# Altium PCB LPCXpresso55SXX.PcbDoc (part 2 of 4)
Units mm, origin at the board's own origin, x right, y up, seen from the top; angles counter-clockwise.
Board outline 97.07 x 97.84 mm, 4 copper layers (Top Layer, GND Plane, Power Plane, Bottom Layer), stack 1.58 mm thick; 336 components, 250 nets, 1211 pads, 766 vias.
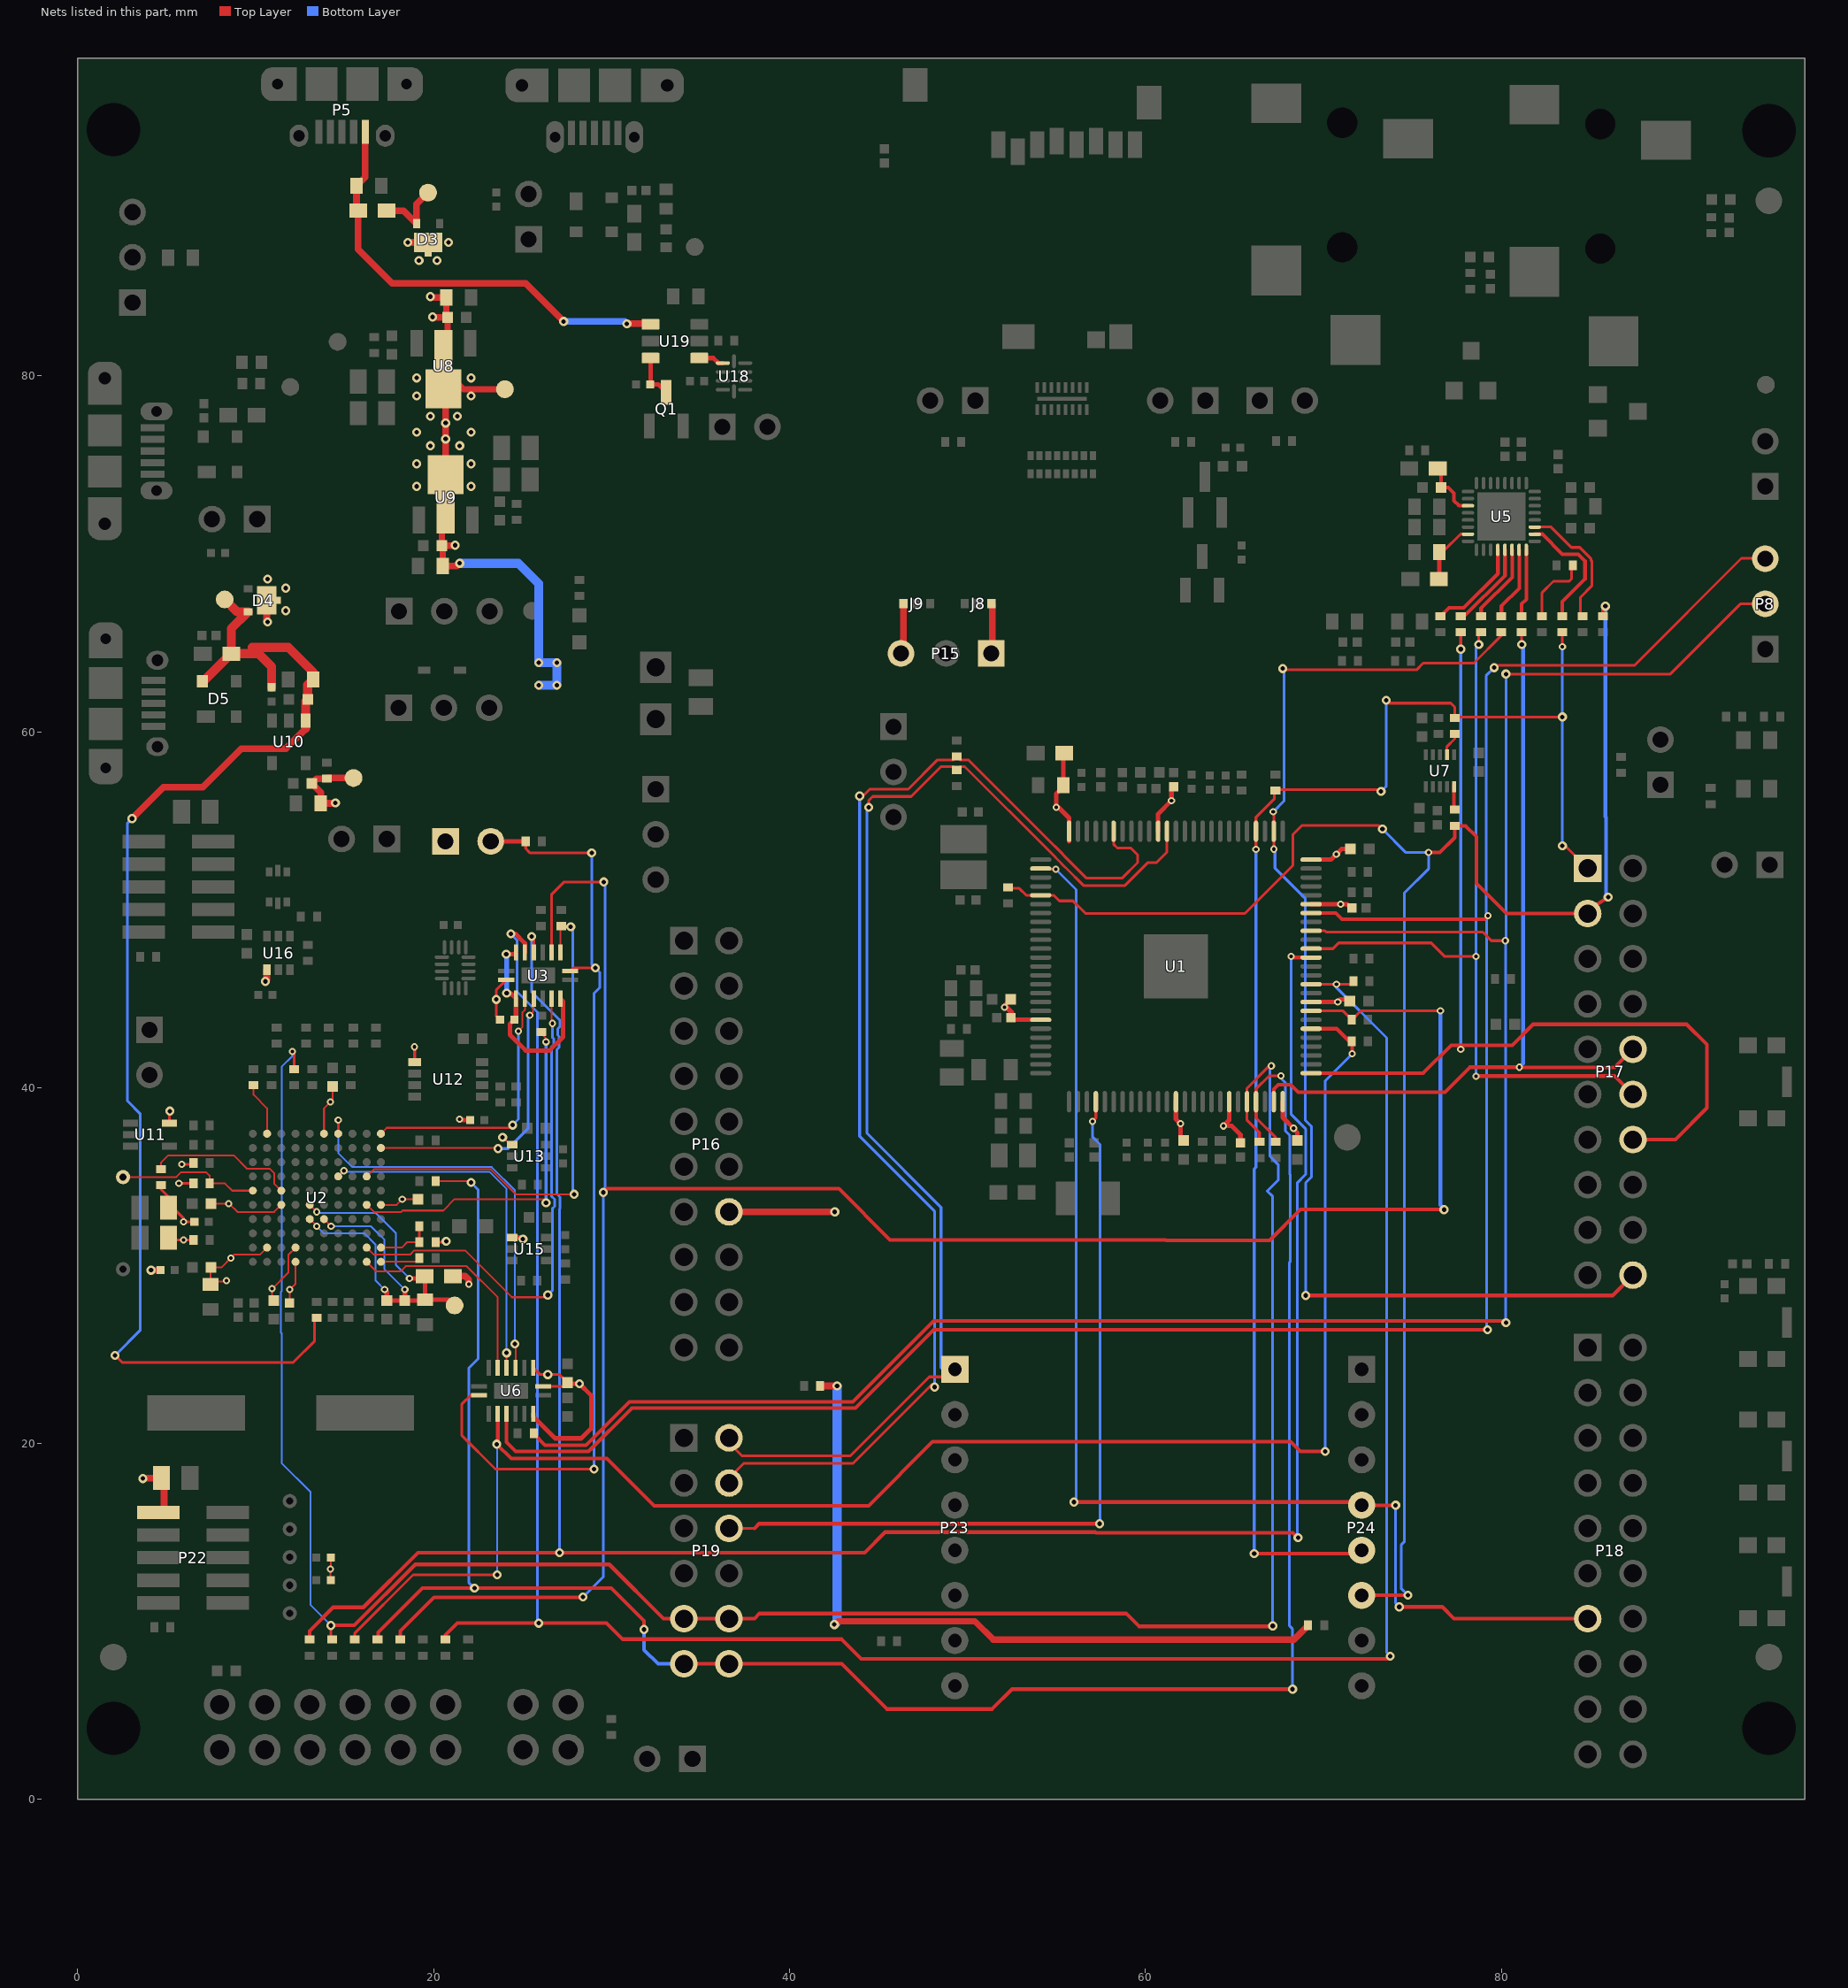
[diagram p4: the nets of this part, all layers, seen from the top]

## Part data
C1 C2 C3 C4 C6 C13 C14 C15 C21 C23 C30 C35 C36 C37 C38 C39 C40 C43 C44 C48 C49 C54 C55 C57 C59 C60 C61 C71 C73 C75 C83 C85 C87 C88 C89 C91: library part CMP-0001-00074-1, "Capacitor, Yageo, Ceramic, 0.1uF 10% 16V 0402 (1005) X7R", Dielectric=X7R, Rated Voltage="16 V", Tolerance="10 %", Category=Capacitor, ClassName="Board Template Device", Mounting Technology="Surface Mount", Polarity=Non-Polarized, Publisher=Altium, Status=Production, Technology=Ceramic
C5 C52 C86: library part CMP-1034-02118-1, "CAP 1uF 10V -20% to +80% 0402 (1005 Metric) Thickness 0.6mm SMD", Case-EIA=0402, Case-Metric=1005, Rated Voltage="10 V", Tolerance="-20% to +80%", Max Thickness="0.6 mm", Technology=SMT
C7: library part CMP-1034-01078-1, "CAP 47pF 16V ?% 0402 (1005 Metric) Thickness 0.6mm SMD", Case-EIA=0402, Case-Metric=1005, Rated Voltage="16 V", Tolerance=±1%, Max Thickness="0.6 mm", Technology=SMT
C9 C11 C12 C16 C25 C26 C29 C34 C41 C42 C47 C53 C56 C68 C69 C70: library part CMP-1035-02785-1, "CAP 4.7uF 10V ?0% 0603 (1608 Metric) Thickness 1mm SMD", Case-EIA=0603, Case-Metric=1608, Rated Voltage="10 V", Tolerance=±10%, Max Thickness="1 mm", Technology=SMT
C10 C17 C22 C24: library part CMP-1034-01367-1, "CAP 220pF 50V ?% 0402 (1005 Metric) Thickness 0.6mm SMD", Case-EIA=0402, Case-Metric=1005, Rated Voltage="50 V", Tolerance=±1%, Max Thickness="0.6 mm", Technology=SMT
C18 C19 C20 C62 C67 C99: library part CMP-1034-02127-1, "CAP 2.2uF 10V ?0% 0402 (1005 Metric) Thickness 0.6mm SMD", Case-EIA=0402, Case-Metric=1005, Rated Voltage="10 V", Tolerance=±10%, Max Thickness="0.6 mm", Technology=SMT
C27 C28 C45 C46 C50 C51 C58 C96: library part CMP-1036-04922-1, "CAP 10uF 10V ?0% 0805 (2012 Metric) Thickness 1.45mm SMD", Case-EIA=0805, Case-Metric=2012, Rated Voltage="10 V", Tolerance=±10%, Max Thickness="1.45 mm", Technology=SMT
C31 C72 C74 C76 C81 C82 C84 C90: library part CMP-1034-01880-1, "CAP 10nF 25V ?0% 0402 (1005 Metric) Thickness 0.6mm SMD", Case-EIA=0402, Case-Metric=1005, Rated Voltage="25 V", Tolerance=±10%, Max Thickness="0.6 mm", Technology=SMT
C32 C33: library part CMP-1034-00963-1, "CAP 27pF 50V ?% 0402 (1005 Metric) Thickness 0.6mm SMD", Case-EIA=0402, Case-Metric=1005, Rated Voltage="50 V", Tolerance=±5%, Max Thickness="0.6 mm", Technology=SMT
C77 C80: library part Capacitor, "CAP CER 8PF 25V C0G/NP0 0402", Manufacturer="Murata Electronics North America", Manufacturer Part #=GRM1555C1E8R0CA01D
C78 C79: library part CMP-1034-00833-1, "CAP 16pF 25V ?.5pF 0402 (1005 Metric) Thickness 0.6mm SMD", Case-EIA=0402, Case-Metric=1005, Rated Voltage="25 V", Tolerance=±0.5pF, Max Thickness="0.6 mm", Technology=SMT
C92 C93 C100: library part CMP-1036-04946-1, "CAP 22uF 16V ?0% 0805 (2012 Metric) Thickness 1.45mm SMD", Case-EIA=0805, Case-Metric=2012, Rated Voltage="16 V", Tolerance=±20%, Max Thickness="1.45 mm", Technology=SMT
C94 C98: library part CMP-1035-02589-1, "CAP 100nF 25V ?0% 0603 (1608 Metric) Thickness 1mm SMD", Case-EIA=0603, Case-Metric=1608, Rated Voltage="25 V", Tolerance=±20%, Max Thickness="1 mm", Technology=SMT
C95 C97: library part CMP-1035-01048-1, "CAP 47pF 16V ?pF 0603 (1608 Metric) Thickness 1mm SMD", Case-EIA=0603, Case-Metric=1608, Rated Voltage="16 V", Tolerance=?pF, Max Thickness="1 mm", Technology=SMT
D1 D2: "TVS DIODE 5V 14V SOT23", Manufacturer="Nexperia USA Inc.", Created by=eteofilo, Creation Date=17-Apr-2018, Manufacturer Part #=PESD5V0S2BT,215
D3 D4: "DIODE ARRAY SCHOTTKY 40V 3HUSON", Manufacturer="Nexperia USA Inc.", Created by=eteoflo, Creation Date=10-Apr-2018, Manufacturer Part #=PMEG4010CPA,115
D5 D9 D10: library part CMP-2000-05285-1, "Ultra Low Capacitance Double Rail-to-Rail ESD Protection Diode, 5.5 V, 1 pF, -40 to 85 degC, 4-Pin SOT143B, RoHS, Tape and Reel", Capacitance Value=16pF, ESD Protection Voltage=8KV@ContactDisc, Leakage Current=0.1uA, Manufacturer="NXP Semiconductors", Operating Temperature Classification=Industrial, Operating Temperature Max Deg. C=85C, Operating Temperature Min Deg. C=-40C, Operating Temp Range=-40Cto85C, Package / Case=SOT, Reverse Breakdown Voltage=6V, Reverse Stand-off Voltage=5.5V, Configuration=Quad, Datasheet URL=https://datasheet.ciiva.com/4479/prtr5v0u2x-102853-4479461.pdf, Datasheet Version="Rev. 02, 01/2008", Direction Type=Uni-Directional, Leakage Current (Max)=0.1uA, Manufacturer URL=http://www.nxp.com/, Mounting=SurfaceMount, Mounting Style=SurfaceMount, Number of Elements=1, Package Type=SOT, Packaging=TapeandReel, Pin Count=3+Tab, Polarity=Uni-Directional, Product Depth (mm)=1.4mm, Product Height (mm)=1mm, Product Length (mm)=3mm, Rad Hardened=No, Suppressor Type=DiodeArrays, Working Voltage=5.5V, Working Voltage (Max)=5.5V
D6: "DIODE SCHOTTKY 10V 2A SOD323F", Manufacturer="Nexperia USA Inc.", Created by=eteofilo, Creation Date=12-Apr-2018, Manufacturer Part #=PMEG1020EJ,115
D7: "TVS DIODE 3.3V 12V SOT666", Manufacturer="Nexperia USA Inc.", Created by=eteofilo, Creation Date=12-Apr-2018, Manufacturer Part #=PESD3V3L5UV,115
D8: "LED RGB SMD DIFF 4-PLCC", Created by=cmartinez, Creation Date=04-06-2019, Manufacturer Part #=XR3528UEUGUB
DS1 DS2: library part CMP-1674-00011-1, "LED Uni-Color Red, 62.5 mW, 5 V, -30 to 85 degC, 2-Pin SMD, RoHS, Tape and Reel", Capacitance="100 uF", Case\Package=Radial, Max Operating Temperature="85 degC", Min Operating Temperature="-40 degC", Package Quantity=200, Tolerance=20%, Voltage Rating="50 V", ComponentLink1Description="Manufacturer URL", ComponentLink1URL=http://www.us.liteon.com/, ComponentLink2Description=Datasheet, ComponentLink2URL=http://optoelectronics.liteon.com/upload/download/DS-22-99-0151/S_110_LTST-C190KRKT.pdf, DatasheetVersion="Rev. F, 05/2013", Diameter="8 mm", Height="11.5 mm", Lead Pitch="3.5 mm", Length="11.5 mm", Mount="Through Hole", PackageDescription="2-Pin Surface Mount Device, Body 1.6 x 0.8 mm", PackageReference=C191KRKT, Packaging=Bulk, Pins=2, Radiation Hardening=No, REACH SVHC="No SVHC", RoHSCompliant=true, Voltage Rating (DC)="50 V"
J1 J2: "CONN AUDIO JACK 3.5MM STEREO SMD", Manufacturer="CUI Inc", Created by=gmoreno, Creation Date=23-May-2013, Manufacturer part#=SJ-3524-SMT-TR
J3 J6 P4 P8 P15 P26 P28: "HEADER 3POS SNGL T/H 2.54MM", Manufacturer="Wurth Electronics Inc", Created by=gmoreno, Creation Date=28-Jul-2012, Manufacturer Part #=61300311121
  P15 P26 P28: Indications=DNI
J4 J5 J7 J10 J11 J12 P1 P2 P3 P12 P13 P25 P29: "HEADER 2POS SNGL T/H 2.54MM", Manufacturer="Wurth Electronics Inc", Created by=gmoreno, Creation Date=28-Jul-2012, Manufacturer Part #=61300211121
  J5 J11 J12 P2 P3 P12 P13 P25 P29: Indications=DNI
J8 J9: "*"
L1 L2 L3 L8 L9: library part CMP-2000-06700-1, "Ferrite Bead, 600 Ohm, 1 A, -40 to 125 degC, 2-Pin SMD, RoHS, Tape and Reel", Current Rating (Max)=1A, DC Resistance (DCR) (Max)=200mOhm, Impedance @ Frequency=600Ohm@100MHz, Manufacturer=Laird, Operating Temperature=-40癈~125癈, Package / Case=0603(1608Metric), Package Description="2-Pin Surface Mount Device, Body 1.6 x 0.8 mm", Package Reference=MI00603J601R-10, Ratings=-, Standard Package=1, Catalog Drawings=(HI,HZ,LI,MI)0603Series_0.95mmMax.Height, Category=Filters, Datasheet URL=http://cdn.lairdtech.com/home/brandworld/files/MI0603J601R-10.pdf, Datasheet Version="Rev. C, 08/2013", Family=FerriteBeadsandChips, Filter Type=PowerLine, Height (Max)="0.037\"(0.95mm)", Kits=240-2227-ND-KITEMIFERRITEBEADCHIPSMD, Manufacturer URL=https://www.lairdtech.com/, Mounting Technology=SurfaceMount, Mounting Type=SurfaceMount, Number of Lines=1, Online Catalog=MISeries, Other Names=240-2371-1, Packaging=CutTape(CT)牋, Series=MI, Size / Dimension="0.063\"Lx0.031\"W(1.60mmx0.80mm)"
L4 L5 L6 L7: library part CMP-2000-06701-1, "Chip Bead, 100 MHz, 2 A, -40 to 125 degC, 2-Pin SMD (0603), RoHS, Tape and Reel", Case Height=0.5mm, Case Length=1.6mm, Manufacturer=LairdTechnologies, Maximum DC Current=2A, Maximum DC Resistance=80mOhms, Operating Temperature Range=-40Cto+125C, Package / Case=0603(1608metric), Package Description="2-Pin Surface Mount Device, Body 1.6 x 0.8 mm", Package Reference=0603, Test Frequency=100MHz, Brand=LairdTechnologies, Case Width=0.5mm, Datasheet URL=http://cdn.lairdtech.com/home/brandworld/files/MI0603L221R-10.pdf, Datasheet Version="Rev. E, 08/2013", Dimensions=0.5mmWx1.6mmLx0.5mmH, Factory Pack Quantity=4000, Impedance=220Ohms, Manufacturer URL=https://www.lairdtech.com/, Mounting Technology=SurfaceMount, Packaging=Reel, Product=FerriteChipBeads, Product Category=EMIFilterBeads,Chips&Arrays, RoHS=Details, Series=MI, Termination Style=SMD/SMT, Unit Weight=0.000192oz
L10: "FIXED IND 4.7UH 400MA 340 MOHM", Manufacturer="TDK Corporation", Created by=eteofilo, Creation Date=06-Nov-2018, Manufacturer Part #=MLZ2012M4R7HT000
P5 P6: "CONN RCPT USB MICRO B SMD", Manufacturer="Hirose Electric Co Ltd", Created by=eteofilo, Creation Date=09-Apr-2018, Manufacturer Part #=ZX62D-B-5P8(30)
P7 P22: "CONN HEADER 10POS DUAL .05\" SMD", Manufacturer="Samtec Inc", Created by=gmoreno, Creation Date=29-Jul-2013, Manufacturer Part #=FTSH-105-01-F-DV
  P22: Indications=DNI
P9 P10: "CONN RCPT USB MICRO AB SMD", Manufacturer="Hirose Electric Co Ltd", Created by=eteofilo, Creation Date=16-Apr-2018, Manufacturer Part #=ZX62D-AB-5P8(30)
P11 P27: "PTH HEADER 40MIL DRILL 70MIL PAD", Indications=DNI
P14: "CONN FEMALE 4POS DL .1\" R/A GOLD", Manufacturer="Sullins Connector Solutions", Created by=eteofilo, Creation Date=30-May-2018, Indications=DNI, Manufacturer Part #=PPPC022LJBN-RC
P16 P17 P18: "CONN HEADER FMAL 20PS.1\" DL GOLD", Manufacturer="Sullins Connector Solutions", Created by=jvelasquez, Creation Date=05-Apr-2018, Manufacturer Part #=PPPC102LFBN-RC
P19: "CONN HEADER FMAL 12PS.1\" DL GOLD", Manufacturer="Sullins Connector Solutions", Created by=jvelasquez, Creation Date=05-Apr-2018, Manufacturer Part #=PPPC062LFBN-RC
P20: "CONN FEMALE 12POSDL .1\" R/A GOLD", Manufacturer="Sullins Connector Solutions", Created by=eteofilo, Creation Date=17-Apr-2018, Manufacturer Part #=PPPC062LJBN-RC
P21: "CONN MICRO SD CARD PUSH-PUSH R/A", Manufacturer="Molex Inc", Created by=eteofilo, Creation Date=17-Apr-2018, Manufacturer Part #=0473521001
P23 P24: "CONN HEADER FEMALE 8POS .1\" TIN", Manufacturer="Sullins Connector Solutions", Created by=eteofilo, Creation Date=10-May-2018, Manufacturer Part #=PPTC081LFBN-RC
Q1 Q3: library part CMP-1259-00085-1, "N-Channel Trench MOSFET, 60 V, 0.36 A, -55 to 150 degC, 3-Pin SOT23, Tape and Reel", Manufacturer="NXP Semiconductors", Automotive Qualified=Y, Channel Type=N, Code_JEDEC=TO-236AB, ComponentLink1Description="Manufacturer URL", ComponentLink1URL=http://www.nxp.com/, ComponentLink2Description=Datasheet, ComponentLink2URL=http://www.nxp.com/documents/data_sheet/BSS138P.pdf, ComponentLink3Description="Package Specification", ComponentLink3URL=http://www.nxp.com/documents/outline_drawing/sot023_po.pdf, DatasheetVersion="Rev. 1", ID [max] (A)=0.36, IDM [max] (A)=1.2, Mounting Technology="Surface Mount", PackageDescription="3-Pin Small Outline Transistor Package, Body 2.9 x 1.3 mm, Pitch 0.95 mm", PackageReference=SOT23, PackageVersion="06-03-16, 03/2006", Packing="Tape & Reel", PartNumber=BSS138P,215, VDS [max] (V)=60, VGSth [typ] (V)=1.2
Q2: library part CMP-1258-00160-1, "P-Channel Trench MOSFET, -20 V, -3.5 A, -55 to 150 degC, 3-Pin SOT23, Tape and Reel", Manufacturer="NXP Semiconductors", Channel Type=P, Ciss [typ] (pF)=1000, Code_JEDEC=TO-236AB, ComponentLink1Description="Manufacturer URL", ComponentLink1URL=http://www.nxp.com/, ComponentLink2Description=Datasheet, ComponentLink2URL=http://www.nxp.com/documents/data_sheet/PMV48XP.pdf, ComponentLink3Description="Package Specification", ComponentLink3URL=http://www.nxp.com/documents/outline_drawing/sot023_po.pdf, Coss [typ] (pF)=130, DatasheetVersion="Rev. 1", ID [max] (A)=-3.5, Mounting Technology="Surface Mount", PackageDescription="3-Pin Small Outline Transistor Package, Body 2.9 x 1.3 mm, Pitch 0.95 mm", PackageReference=SOT23, PackageVersion="06-03-16, 03/2006", Packing="Tape & Reel", PartNumber=PMV48XP,215, VDS [max] (V)=-20, VGSth [typ] (V)=-1
R1 R5 R51 R53 R54 R60 R67 R76 R77 R94 R99 R100 R101 R102 R103 R104 R105 R106: library part CMP-1011-00050-1, "100R 0.063W 5% 0402 (1005 Metric)  SMD", Case-EIA=0402, Case-Metric=1005, Power="0.063 W", Tolerance="5 %", Technology=SMT
R2 R6 R8 R9 R32 R37 R43 R44 R45 R46 R47 R48 R49 R50 R52 R61 R69 R71 R72 R117 R118 R119 R120 R121 R124: library part CMP-1011-00546-1, "2K2 0.063W 1% 0402 (1005 Metric)  SMD", Case-EIA=0402, Case-Metric=1005, Power="0.063 W", Tolerance="1 %", Technology=SMT
  R43 R44 R45: Indications=DNI
R3 R4 R12 R14 R15 R18 R19 R20 R21 R22 R24 R25 R26 R28 R35 R38 R39 R40 R55 R58 R62 R64 R65 R68 R70 R83 R85 R92 R95 R96 R97 R109 R110 R111 R127 R129: library part CMP-1011-00001-1, "Jumper 0402 (1005 Metric)", Case-EIA=0402, Case-Metric=1005, Power=None, Technology=SMT, Tolerance=None
  R62 R64 R65 R68 R70: Indications=DNI
R7 R34 R36 R41 R56 R57 R59 R63 R66 R73 R75 R81 R88 R89 R93 R98 R108 R112 R113 R114 R115 R116 R122 R123 R128: library part CMP-2002-00608-3, "Chip Resistor, 100 KOhm, +/- 1%, 100 mW, -55 to 155 degC, 0402 (1005 Metric), RoHS, Tape and Reel", Case\/Package=0402, Case Code (Metric)=1005, Manufacturer="Basic Passives", Max Operating Temperature="155 degC", Min Operating Temperature="-55 degC", Package Quantity=10000, Power Rating="100 mW", Tolerance=1%, Voltage Rating="50 V", Case Code (Imperial)=0402, ComponentLink1Description="Manufacturer URL", ComponentLink1URL=http://www.panasonic.com/, ComponentLink2Description=Datasheet, ComponentLink2URL=http://industrial.panasonic.com/cdbs/www-data/pdf/RDA0000/AOA0000C86.pdf, DatasheetVersion=04/2015, Height="0.35 mm", Length="1 mm", Mount="Surface Mount", Mounting Technology="Surface Mount", PackageDescription="2-Pin Surface Mount Device, Body 1 x 0.5 mm", PackageReference=0402, Packaging="Tape and Reel", PartNumber=ERJ-2RKF1003X, Pins=2, Radiation Hardening=No, REACH SVHC=Yes, RoHSCompliant=true, Width="0.5 mm"
  R36 R73 R114 R128: Indications=DNI
R10 R11 R90: library part CMP-1011-00699-1, "47K 0.063W 1% 0402 (1005 Metric)  SMD", Case-EIA=0402, Case-Metric=1005, Power="0.063 W", Tolerance="1 %", Technology=SMT
R13 R16 R125 R126: library part CMP-1011-00341-1, "33R 0.063W 1% 0402 (1005 Metric)  SMD", Case-EIA=0402, Case-Metric=1005, Power="0.063 W", Tolerance="1 %", Technology=SMT
R17 R23: library part CMP-1011-00316-1, "20R 0.063W 1% 0402 (1005 Metric)  SMD", Case-EIA=0402, Case-Metric=1005, Power="0.063 W", Tolerance="1 %", Technology=SMT
R27: library part CMP-1011-00066-1, "470R 0.063W 5% 0402 (1005 Metric)  SMD", Case-EIA=0402, Case-Metric=1005, Power="0.063 W", Tolerance="5 %", Technology=SMT
R29 R30 R31 R33: library part CMP-1011-00632-1, "12K1 0.063W 1% 0402 (1005 Metric)  SMD", Case-EIA=0402, Case-Metric=1005, Power="0.063 W", Tolerance="1 %", Technology=SMT
R42: library part CMP-1011-00528-1, "1K5 0.063W 1% 0402 (1005 Metric)  SMD", Case-EIA=0402, Case-Metric=1005, Power="0.063 W", Tolerance="1 %", Technology=SMT
R74: library part CMP-1011-00793-1, "330K 0.063W 1% 0402 (1005 Metric)  SMD", Case-EIA=0402, Case-Metric=1005, Power="0.063 W", Tolerance="1 %", Technology=SMT
R78 R79: library part CMP-1011-00444-1, "270R 0.063W 1% 0402 (1005 Metric)  SMD", Case-EIA=0402, Case-Metric=1005, Power="0.063 W", Tolerance="1 %", Technology=SMT
R80: library part CMP-1011-00476-1, "499R 0.063W 1% 0402 (1005 Metric)  SMD", Case-EIA=0402, Case-Metric=1005, Power="0.063 W", Tolerance="1 %", Technology=SMT
R82 R86: library part CMP-1011-00623-1, "10K 0.063W 1% 0402 (1005 Metric)  SMD", Case-EIA=0402, Case-Metric=1005, Power="0.063 W", Tolerance="1 %", Technology=SMT
R84 R87: library part CMP-1011-00655-1, "20K 0.063W 1% 0402 (1005 Metric)  SMD", Case-EIA=0402, Case-Metric=1005, Power="0.063 W", Tolerance="1 %", Technology=SMT
R91: library part CMP-1011-00213-1, "2R43 0.063W 1% 0402 (1005 Metric)  SMD", Case-EIA=0402, Case-Metric=1005, Power="0.063 W", Tolerance="1 %", Technology=SMT
R107: "RES ARRAY 8 RES 47K OHM 1506", Manufacturer="Panasonic Electronic Components", Created by=eteofilo, Creation Date=17-Apr-2018, Manufacturer Part #=EXB-2HV473JV
S1 S2 S3 S4: "SWITCH TACTILE SPST-NO 0.05A 32V", Manufacturer=C&K, Created by=eteofilo, Creation Date=06-Jul-2017, Manufacturer Part #=KMR221GLFS
TP1 TP2 TP3 TP4 TP5 TP6 TP7 TP8 TP9 TP18: "PCB TEST POINT SMT 1mm", Created by=gmoreno, Creation Date=26-Apr-2012
TP11 TP12 TP13 TP14 TP15 TP16 TP17: library part "TP 0.8mm", "PCB TEST PAD TH 0.8mm", Created by=eteofilo, Creation Date=22-Feb-2018
U1: "32-bit ARM Cortex-M33, 312 KB SRAM, LPC55XX Series", Manufacturer=NXP, Created by=eteofilo, Creation Date=05-Apr-2018, Manufacturer Part #=LPC5500
U2: "IC MCU 32BIT 512KB FLASH 100BGA", Manufacturer=NXP, Created by=eteofilo, Creation Date=09-Apr-2018, Manufacturer Part #=LPC4322JET100E
U3 U6: "TXRX 4BIT DUAL 3STATE 16-DHVQFN", Manufacturer="NXP Semiconductors", Created by=Jose, Creation Date=25-Apr-2016, Manufacturer Part #=74AVC4TD245BQ
U5: "IC CODEC STEREO ULP 32QFN", Manufacturer="Cirrus Logic Inc.", Created by=eteofilo, Creation Date=17-Apr-2018, Manufacturer Part #=WM8904CGEFL/V
U7: library part CMP-1356-00001-1, "MMA8652FC 3-Axis, 12-bit Digital Accelerometer, 1.95 to 3.6 V, -40 to 85 degC, 10-Pin DFN (2162-02), RoHS, Tape and Reel", Manufacturer="Freescale Semiconductor", Temperature Range="-40 to 85 degC", Cap="75 to 470 nF", ComponentLink1Description="Manufacturer URL", ComponentLink1URL=http://www.freescale.com/, ComponentLink2Description=Datasheet, ComponentLink2URL=http://cache.freescale.com/files/sensors/doc/data_sheet/MMA8652FC.pdf?pspll=1, ComponentLink3Description="Package Specification", ComponentLink3URL=http://cache.freescale.com/files/shared/doc/package_info/98ASA00301D.pdf, DatasheetVersion="Rev. 3.2", Digital Output="12 Bits", fSCL="0 to 400 kHz", Mounting Technology="Surface Mount", PackageDescription="10-Pin Plastic Dual Flat Package, Body 2 x 2 mm, Pitch 0.4 mm", PackageVersion="Rev. A", Packing="Tape and Reel", PartNumber=MMA8652FCR1, RoHS=TRUE, VDD="1.95 to 3.6 V"
U8: "IC REG LDO 1.8V 0.5A SOT89-3", Manufacturer="Torex Semiconductor Ltd", Created by=eteofilo, Creation Date=30-May-2018, Manufacturer Part #=XC6214P182PR-G
U9: "IC REG LDO 3.3V 0.5A SOT89-3", Manufacturer="Torex Semiconductor Ltd", Created by=eteofilo, Creation Date=30-May-2018, Manufacturer Part #=XC6214P332PR-G
U10: "IC REG LINEAR 2.5V SOT25-5", Manufacturer="Torex Semiconductor", Created by=eteofilo, Creation Date=30-May-2018, Manufacturer Part #=XC6223H251MR-G
U11: "IC BUFF OPEN DRAIN N-INV 5TSSOP", Manufacturer="Nexperia USA Inc.", Created by=eteofilo, Creation Date=12-Apr-2018, Manufacturer Part #=74LVC1G07GW-Q100H
U12: "IC BUS TRANSCVR TRI-ST DL 8TSSOP", Manufacturer="Nexperia USA Inc.", Created by=eteofilo, Creation Date=11-Apr-2018, Manufacturer Part #=74AVC2T45DP,125